# KiCad board mainboard.kicad_pcb (continued)
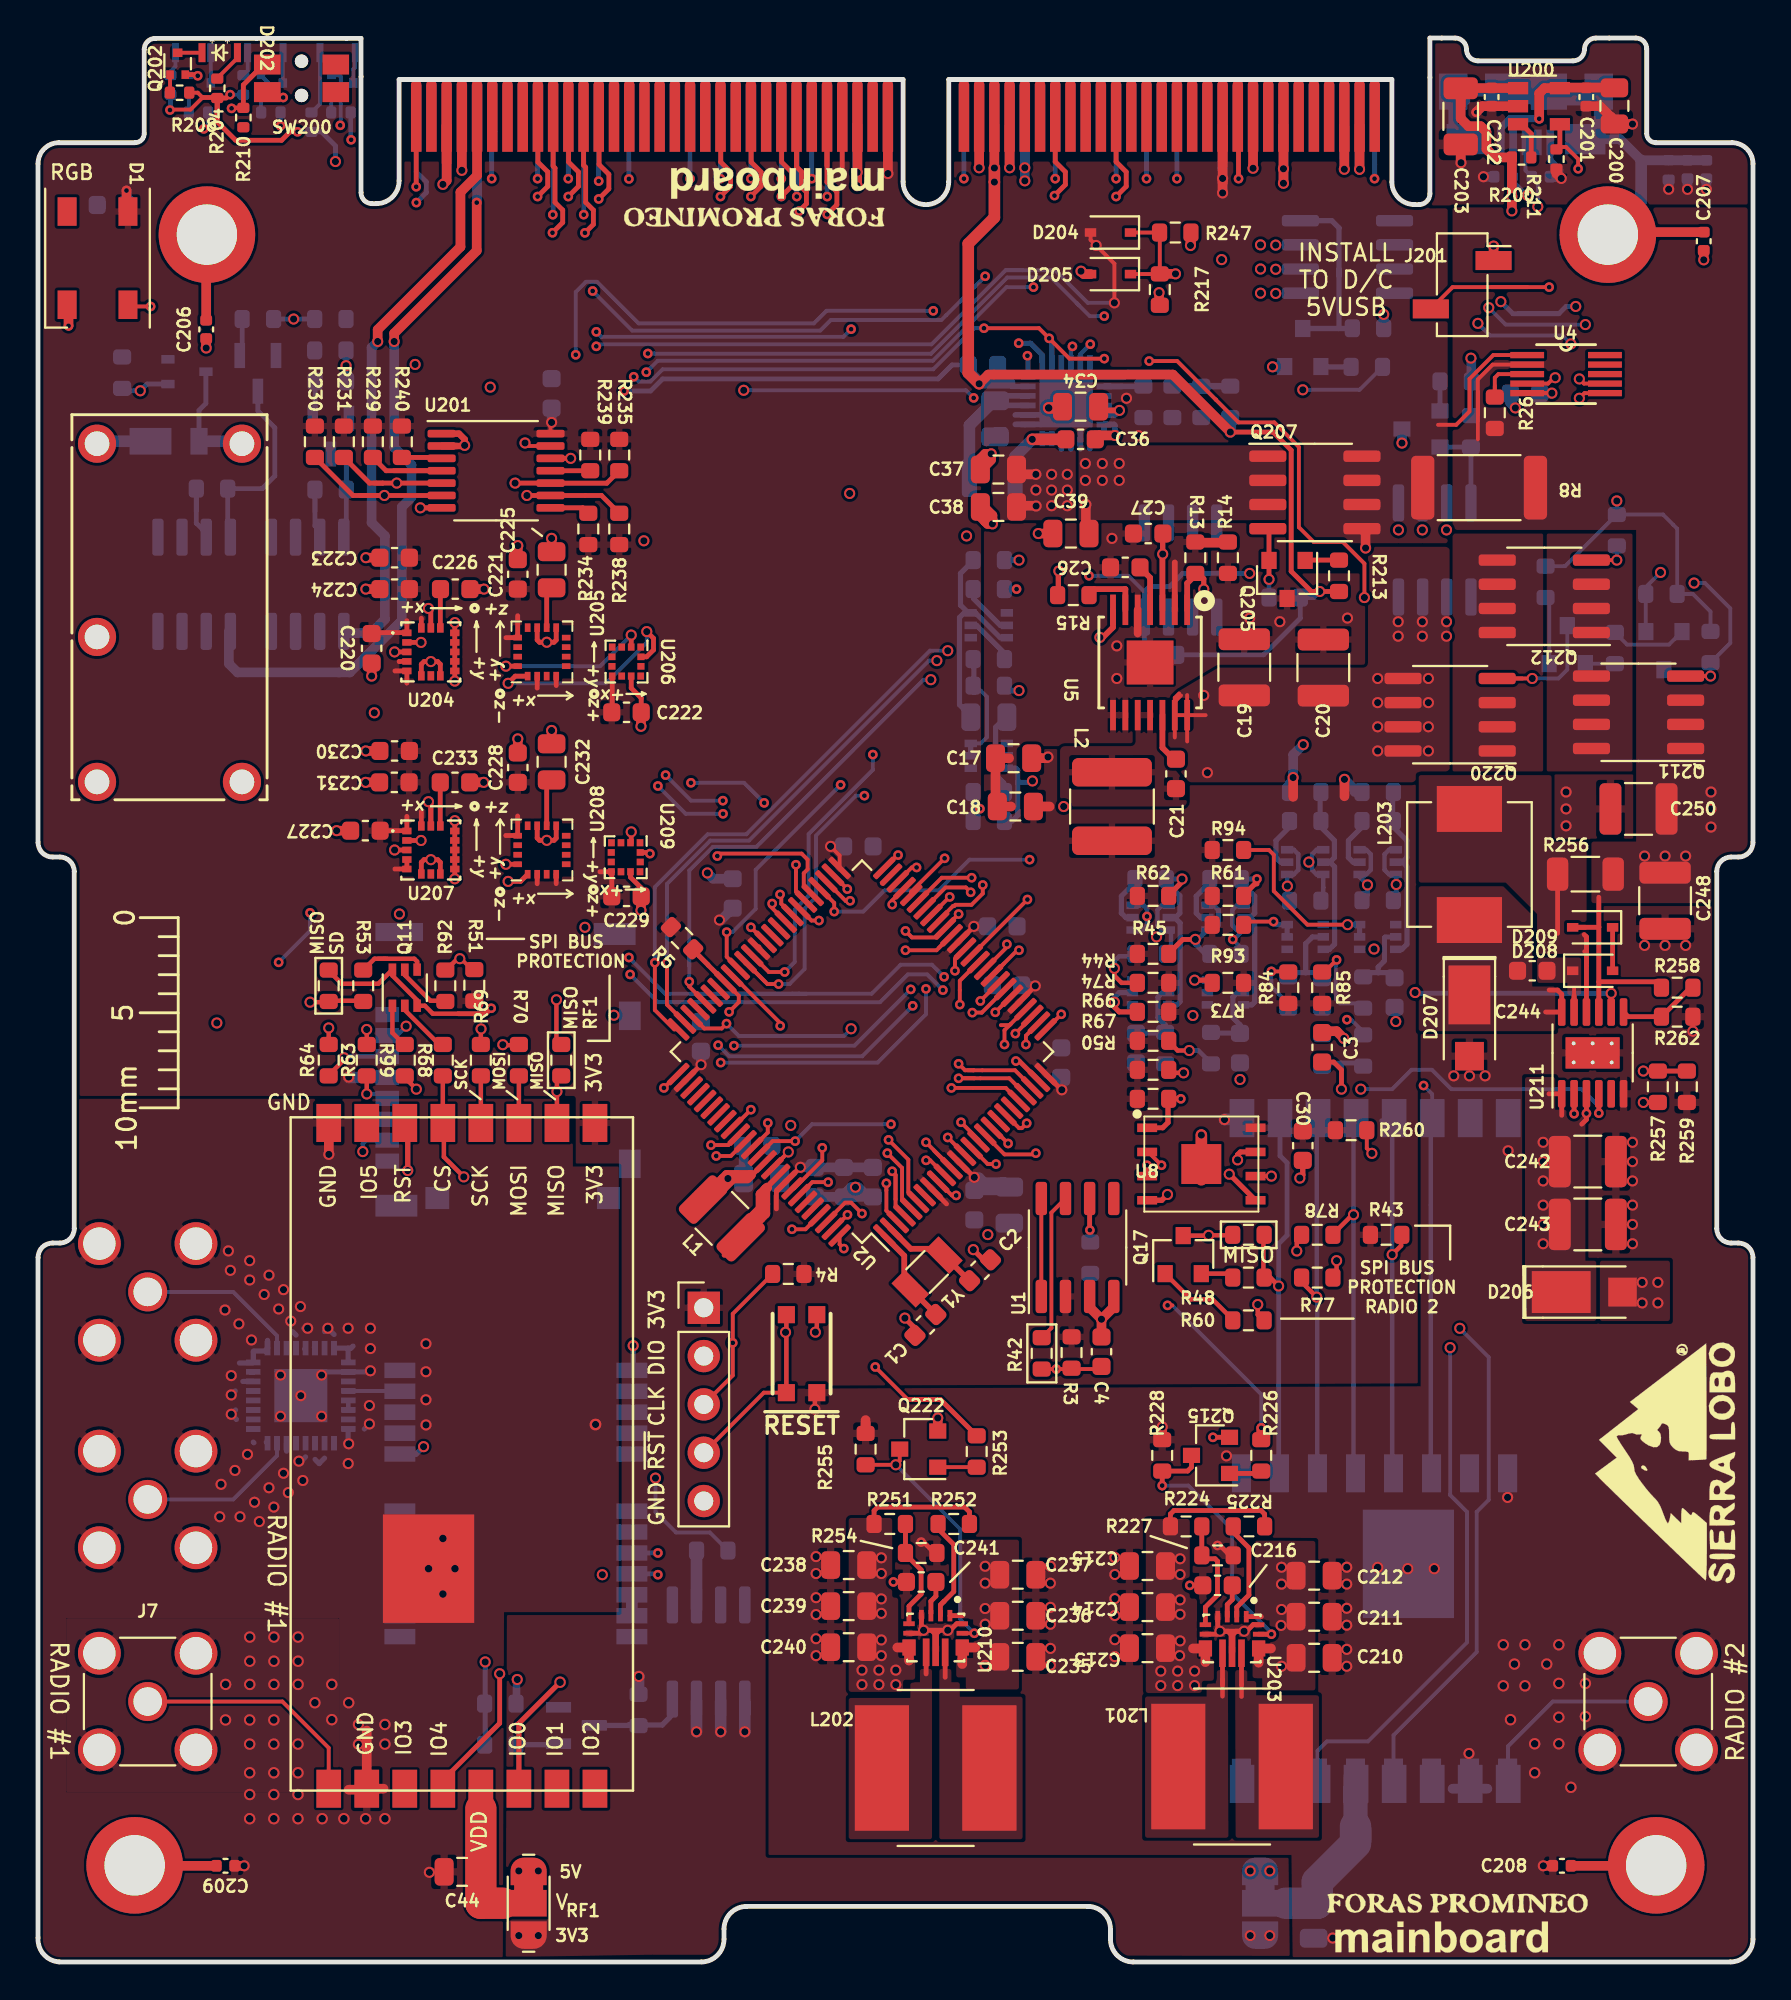
[diagram p0: board, top side]
## Placement (name value [footprint] x y rotation side) (continued)
Q215  MMBT3906-7-F  [SOT-23]  61.65 26.63 180 top
Q220  IRF7404  [SOIC-8_3.9x4.9mm_P1.27mm]  74.25 65.57 180 top
Q221  MMBT4401-7-F  [SOT-23]  85.49 68.94 270 bottom
Q222  MMBT3906-7-F  [SOT-23]  46.31 26.96 180 top
R1  316K  [R_0603_1608Metric]  69.67 47.92 270 bottom
R2  110K  [R_0603_1608Metric]  67.52 47.92 270 bottom
R3  10K  [R_0603_1608Metric]  54.34 32.04 270 top
R4  10K  [R_0603_1608Metric]  39.45 36.17 180 top
R5  10k  [R_0603_1608Metric]  33.86 53.82 315 top
R7  10k  [R_0603_1608Metric]  55.32 37.02 90 bottom
R8  0.1  [R_2512_6332Metric]  75.77 77.51 180 top
R13  73.2K  [R_0603_1608Metric]  60.85 73.83 270 top
R14  22.1K  [R_0603_1608Metric]  62.56 73.83 90 top
R15  100K  [R_0603_1608Metric]  54.43 71.86 180 top
R21  10K  [R_0603_1608Metric]  24.31 13.58 0 bottom
R22  4.7K  [R_0603_1608Metric]  24.31 11.42 0 bottom
R23  3.3K  [R_0603_1608Metric]  31.57 13.25 270 bottom
R24  10K  [R_0603_1608Metric]  35.45 21.63 180 bottom
R25  10k  [R_0603_1608Metric]  4.42 83.55 90 bottom
R26  1K  [R_0603_1608Metric]  76.6 81.45 90 top
R27  10k  [R_0603_1608Metric]  15.37 86.37 0 bottom
R28  10k  [R_0603_1608Metric]  15.37 84.72 180 bottom
R29  73.2K  [R_0603_1608Metric]  49.99 59.98 0 bottom
R30  100K  [R_0603_1608Metric]  49.99 67.09 180 bottom
R32  4.7k  [R_0603_1608Metric]  11.56 86.37 0 bottom
R33  4.7k  [R_0603_1608Metric]  15.4 83.1 0 bottom
R34  5.23K  [R_0603_1608Metric]  62.69 82.02 90 bottom
R35  30.1K  [R_0603_1608Metric]  61.17 82.02 90 bottom
R36  3.16K  [R_0603_1608Metric]  58.12 82.02 90 bottom
R37  100k  [R_0603_1608Metric]  9.15 77.46 180 bottom
R38  100k  [R_0603_1608Metric]  15.38 77.41 180 bottom
R42  10k  [R_0603_1608Metric]  52.77 31.99 90 top
R43  10k  [R_0603_1608Metric]  70.88 38.23 0 top
R44  10K  [R_0603_1608Metric]  58.63 51.47 180 top
R45  10K  [R_0603_1608Metric]  58.63 53 0 top
R46  10K  [R_0603_1608Metric]  59.64 82.02 90 bottom
R47  200K  [R_0603_1608Metric]  49.99 61.51 0 bottom
R48  0  [R_0603_1608Metric]  63.64 35.98 0 top
R49  100K  [R_0603_1608Metric]  49.99 73.7 180 bottom
R50  10k  [R_0603_1608Metric]  58.63 45.38 180 top
R51  10k  [R_0603_1608Metric]  22.94 51.35 270 top
R52  10K  [R_0603_1608Metric]  49.99 72.17 0 bottom
R53  0  [R_0603_1608Metric]  17.1 51.32 270 top
R60  4.7k  [R_0603_1608Metric]  63.64 33.73 0 top
R61  10K  [R_0603_1608Metric]  62.56 56.05 0 top
R62  10K  [R_0603_1608Metric]  58.63 56.05 0 top
R63  1K  [R_0603_1608Metric]  17.28 47.41 90 top
R64  1K  [R_0603_1608Metric]  15.28 47.41 90 top
R66  10K  [R_0603_1608Metric]  58.63 48.43 0 top
R67  10K  [R_0603_1608Metric]  58.63 46.9 0 top
R68  4.7K  [R_0603_1608Metric]  21.28 47.41 270 top
R69  1K  [R_0603_1608Metric]  23.28 47.41 90 top
R70  1K  [R_0603_1608Metric]  25.28 47.41 270 top
R71  680  [R_0603_1608Metric]  62.44 56.93 0 bottom
R72  680  [R_0603_1608Metric]  58.5 56.93 0 bottom
R73  100K  [R_0603_1608Metric]  62.56 51.47 180 top
R74  100K  [R_0603_1608Metric]  58.63 49.95 180 top
R75  200K  [R_0603_1608Metric]  61.67 48.04 90 bottom
R76  200K  [R_0603_1608Metric]  59.26 48.04 90 bottom
R77  1K  [R_0603_1608Metric]  67.26 35.98 0 top
R78  1K  [R_0603_1608Metric]  67.26 38.23 180 top
R82  10K  [R_0603_1608Metric]  66.63 61.51 0 bottom
R83  10K  [R_0603_1608Metric]  70.44 61.51 0 bottom
R84  10K  [R_0603_1608Metric]  65.74 51.22 90 top
R85  10K  [R_0603_1608Metric]  67.52 51.22 90 top
R86  680  [R_0603_1608Metric]  66.63 59.98 0 bottom
R87  680  [R_0603_1608Metric]  70.44 59.98 0 bottom
R92  4.7k  [R_0603_1608Metric]  21.41 51.32 90 top
R93  100K  [R_0603_1608Metric]  62.56 54.52 0 top
R94  100K  [R_0603_1608Metric]  62.56 58.46 0 top
R95  200K  [R_0603_1608Metric]  65.74 50.97 90 bottom
R96  200K  [R_0603_1608Metric]  69.67 50.97 90 bottom
R97  0  [R_0603_1608Metric]  62.44 53 180 bottom
R98  0  [R_0603_1608Metric]  58.5 53 180 bottom
R99  0  [R_0603_1608Metric]  19.28 47.41 270 top
R101  0  [R_0603_1608Metric]  27.51 47.41 90 top
R104  0  [R_0603_1608Metric]  15.28 51.32 90 top
R107  0  [R_0603_1608Metric]  63.64 38.23 180 top
R108  0  [R_0603_1608Metric]  66.63 55.79 180 bottom
R109  0  [R_0603_1608Metric]  70.44 55.82 180 bottom
R110  20K  [R_0603_1608Metric]  49.99 68.49 180 bottom
R200  10k  [R_0402_1005Metric]  78 94.87 0 top
R201  1Meg  [R_0402_1005Metric]  85.74 94.21 270 bottom
R202  1.5k  [R_0402_1005Metric]  6.96 98.68 90 bottom
R203  1.5k  [R_0402_1005Metric]  10.8 98.68 90 bottom
R204  1.5k  [R_0402_1005Metric]  9.42 98.5 90 top
R205  1.5k  [R_0402_1005Metric]  14.38 96.72 90 bottom
R206  1.5k  [R_0402_1005Metric]  8.43 97.23 0 bottom
R207  1.5k  [R_0402_1005Metric]  12.24 97.23 0 bottom
R208  1.5k  [R_0402_1005Metric]  7.44 98.27 0 top
R209  1.5k  [R_0402_1005Metric]  15.93 97.23 0 bottom
R210  DNP  [R_0402_1005Metric]  10.8 96.96 90 top
R211  10k  [R_0402_1005Metric]  79.83 94.78 270 top
R212  10k  [R_0603_1608Metric]  69.87 83.86 0 bottom
R213  4.7k  [R_0603_1608Metric]  68.4 72.87 270 top
R214  100k  [R_0603_1608Metric]  59.04 68.72 180 bottom
R215  100k  [R_0603_1608Metric]  69.93 85.89 0 bottom
R216  100k  [R_0603_1608Metric]  65.55 71.73 180 bottom
R217  2.2Meg  [R_0603_1608Metric]  58.98 87.92 270 top
R218  4.7k  [R_0603_1608Metric]  74.54 83.1 0 bottom
R219  100k  [R_0603_1608Metric]  75.34 80.47 270 bottom
R220  100k  [R_0603_1608Metric]  87.94 69.13 270 bottom
R221  100k  [R_0603_1608Metric]  83.01 75.27 270 bottom
R224  523k  [R_0603_1608Metric]  60.37 22.9 0 top
R225  100k  [R_0603_1608Metric]  63.67 22.9 180 top
R226  3.3k  [R_0603_1608Metric]  64.32 26.63 90 top
R227  100k  [R_0603_1608Metric]  62.02 21.37 0 top
R228  330k  [R_0603_1608Metric]  59.11 26.63 90 top
R229  100k  [R_0603_1608Metric]  17.6 79.92 270 top
R230  10k  [R_0603_1608Metric]  14.56 79.92 270 top
R231  10k  [R_0603_1608Metric]  16.08 79.92 270 top
R234  100k  [R_0603_1608Metric]  28.93 75.34 90 top
R235  10k  [R_0603_1608Metric]  30.56 79.22 270 top
R238  10k  [R_0603_1608Metric]  30.56 75.34 90 top
R239  100k  [R_0603_1608Metric]  29.03 79.22 270 top
R240  100k  [R_0603_1608Metric]  19.13 79.92 270 top
R247  2.2Meg  [R_0603_1608Metric]  59.79 90.92 0 top
R248  100k  [R_0603_1608Metric]  79.26 72.56 270 bottom
R249  10k  [R_0603_1608Metric]  85.36 71.92 180 bottom
R250  4.7k  [R_0603_1608Metric]  82.91 69.08 90 bottom
R251  523k  [R_0603_1608Metric]  44.78 23.03 0 top
R252  100k  [R_0603_1608Metric]  48.15 23.03 180 top
R253  3.3k  [R_0603_1608Metric]  49.35 26.84 90 top
R254  100k  [R_0603_1608Metric]  46.43 21.5 0 top
R255  330k  [R_0603_1608Metric]  43.51 26.96 90 top
R256  0.05  [R_1206_3216Metric]  81.36 57.19 180 top
R257  121k  [R_0603_1608Metric]  85.17 46.01 90 top
R258  634k  [R_0603_1608Metric]  86.18 51.22 0 top
R259  100k  [R_0603_1608Metric]  86.69 46.01 270 top
R260  100k  [R_0603_1608Metric]  69.04 43.73 0 top
R262  412k  [R_0603_1608Metric]  86.18 49.7 0 top
REF**  Val**  [mainboard_version]  75.39 1.31 0 top
REF**#2  Val**  [mainboard_version]  37.29 93.51 180 top
REF**#3  -  [Gauge_10mm_Type1_SilkScreenTop]  7.37 54.9 270 top
REF**#4  Val**  []  5.79 78.14 180 bottom
REF**#5  -  [Gauge_10mm_Type1_SilkScreenTop]  6.17 44.23 90 bottom
REF**#6  Val**  [mainboard_version]  74.12 1.31 180 bottom
REF**#7  Val**  [mainboard_version]  29.16 93.45 0 bottom
SW1  KMR231NG LFS  [BTN_KMR2_4.6X2.8]  40.15 31.98 90 top
SW200  SW_Push_SPST  [EVQP7C01P]  13.85 101.13 0 top
U1  MAX706RESA  [SO-8_3.9x4.9mm_P1.27mm]  54.66 37.56 90 top
U2  ATSAMD51N20A-AUT  [TQFP-100_14x14mm_P0.5mm]  43.32 47.85 135 top
U4  -  [ADM1176-1ARMZ-R7]  80.34 83.48 0 top
U5  TPS54226PWPRPWP14_2P31X2P46-L  [PWP14_2P31X2P46-L]  58.47 68.32 270 top
U8  MR25H40MDF  [SON127P600X500X90-9N]  61.17 41.95 0 top
U13  EP2W+  [QFN32-5X5MM]  13.82 29.77 180 bottom
U14  S1216V8  [S1216_24PIN_PACKAGE]  24.87 24.72 180 bottom
U15  RFM9xBreakout  [HOPERF_RFM9XW_SMD]  70.27 17.69 270 bottom
U16  PE014006  [RELAY_PE014006]  10.72 62.62 0 top
U17  BQ25883RGER  [QFN50P400X400X100-25N-D]  54.05 82.08 270 bottom
U23  RFM98PW  [RFM95PW]  22.78 26.71 270 top
U24  RFM98PW  [RFM95PW]  69.8 26.96 270 bottom
U200  AP2161W  [SOT-23-5]  78.92 97.56 0 top
U201  PCA9543APW,118  [TSSOP-14_4.4x5mm_P0.65mm]  24.08 78.4 0 top
U203  TPS63070  [TPS63070RNMR]  62.78 17.01 270 top
U204  -  [IAM-20380]  20.65 68.87 0 top
U205  -  [MMC5983MA]  26.49 68.87 90 top
U206  -  [MXC6655XA]  30.94 68.36 270 top
U207  -  [IAM-20380]  20.65 58.46 0 top
U208  -  [MMC5983MA]  26.49 58.46 90 top
U209  -  [MXC6655XA]  30.9 58.08 270 top
U210  TPS63070  [TPS63070RNMR]  47.2 17.06 270 top
U211  ‎LT3652HVEMSE#TRPBF‎  [MSOP-12-1EP_3x4mm_P0.65mm_EP1.65x2.85mm_ThermalVias]  81.74 47.79 90 top
Y1  32.768kHz  [Crystal_SMD_3215-2Pin_3.2x1.5mm]  46.75 36.27 225 top
Z200  CG0402MLU-05G  [C_0402_1005Metric]  79.02 93.85 0 bottom
Z201  CG0402MLU-05G  [C_0402_1005Metric]  77.04 93.85 180 bottom

## Library data of the parts
D1 = -: Field4: 1
Q1 = -: Field4: REF**
U5 U14 = -: Field4: >Name
U16 = -: Field4: REF**; Field5: *
U23 U24 = -: Field4: RADIO 2

## Footprints (pads in the part's own frame, mm; a bottom-side part is the same pattern mirrored in y, then rotated)
125mil_hole
  round 5.08 hole 3.175: 1(0,0)
ADM1176-1ARMZ-R7
  rect 1.778x0.33 smd: 1(-2.045,1) 2(-2.045,0.5) 3(-2.045,0) 4(-2.045,-0.5) 5(-2.045,-1) 6(2.045,-1) 7(2.045,-0.5) 8(2.045,0) 9(2.045,0.5) 10(2.045,1)
APA2107x
  rect 1x0.37 smd: 1(0,-0.93) 2(0,0.93)
BSS138DWQ-7
  rect 0.6x0.4 smd: 1(-0.95,0.65) 2(-0.95,0) 3(-0.95,-0.65) 4(0.95,-0.65) 5(0.95,0) 6(0.95,0.65)
BTN_KMR2_4.6X2.8
  rect 0.9x0.9 smd: A(2.05,0.8) A'(-2.05,0.8) B(2.05,-0.8) B'(-2.05,-0.8)
C_0402_1005Metric
  rrect 0.56x0.62 smd: 1(-0.48,0) 2(0.48,0)
C_0603_1608Metric
  rrect 0.9x0.95 smd: 1(-0.775,0) 2(0.775,0)
C_0805_2012Metric
  rrect 1x1.45 smd: 1(-0.95,0) 2(0.95,0)
C_1206_3216Metric
  rrect 1.15x1.8 smd: 1(-1.475,0) 2(1.475,0)
C_1210_3225Metric
  rrect 1.15x2.7 smd: 1(-1.475,0) 2(1.475,0)
Crystal_SMD_3215-2Pin_3.2x1.5mm
  rect 1x1.8 smd: 1(1.25,0) 2(-1.25,0)
D_SOD-323
  rect 0.6x0.45 smd: 1(-1.05,0) 2(1.05,0)
EVQP7C01P
  round 0.7 hole 0.7 unplated: (0,-1.2) (0,-3)
  rect 1.4x1.05 smd: (1.8,-1.375) (1.8,-2.825) 1(-1.8,-1.375) 2(-1.8,-2.825)
HOPERF_RFM9XW_SMD
  rect 2x1 smd: 1(-8,7) 2(-8,5) 3(-8,3) 4(-8,1) 5(-8,-1) 6(-8,-3) 7(-8,-5) 8(-8,-7) 9(8,-7) 10(8,-5) 11(8,-3) 12(8,-1) 13(8,1) 14(8,3) 15(8,5) 16(8,7)
HSEC8-160-CARD-EDGE
  custom 0.55x3.8 smd far side: 1(-25.6,-2.4) 3(-24.8,-2.4) 5(-24,-2.4) 7(-23.2,-2.4) 9(-22.4,-2.4) 11(-21.6,-2.4) 13(-20.8,-2.4) 15(-20,-2.4) 17(-19.2,-2.4) 19(-18.4,-2.4) 21(-17.6,-2.4) 23(-16.8,-2.4) 25(-16,-2.4) 27(-15.2,-2.4) 29(-14.4,-2.4) 31(-13.6,-2.4) 33(-12.8,-2.4) 35(-12,-2.4) 37(-11.2,-2.4) 39(-10.4,-2.4) 41(-9.6,-2.4) 43(-8.8,-2.4) 45(-8,-2.4) 47(-7.2,-2.4) 49(-6.4,-2.4) 51(-5.6,-2.4) 53(-4.8,-2.4) 55(-4,-2.4) 57(-3.2,-2.4) 59(-2.4,-2.4) 61(-1.6,-2.4) 63(-0.8,-2.4) 65(3.2,-2.4) 67(4,-2.4) 69(4.8,-2.4) 71(5.6,-2.4) 73(6.4,-2.4) 75(7.2,-2.4) 77(8,-2.4) 79(8.8,-2.4) 81(9.6,-2.4) 83(10.4,-2.4) 85(11.2,-2.4) 87(12,-2.4) 89(12.8,-2.4) 91(13.6,-2.4) 93(14.4,-2.4) 95(15.2,-2.4) 97(16,-2.4) 99(16.8,-2.4) 101(17.6,-2.4) 103(18.4,-2.4) 105(19.2,-2.4) 107(20,-2.4) 109(20.8,-2.4) 111(21.6,-2.4) 113(22.4,-2.4) 115(23.2,-2.4) 117(24,-2.4) 119(24.8,-2.4)
  custom 0.55x3.8 smd: 2(-25.6,-2.4) 4(-24.8,-2.4) 6(-24,-2.4) 8(-23.2,-2.4) 10(-22.4,-2.4) 12(-21.6,-2.4) 14(-20.8,-2.4) 16(-20,-2.4) 18(-19.2,-2.4) 20(-18.4,-2.4) 22(-17.6,-2.4) 24(-16.8,-2.4) 26(-16,-2.4) 28(-15.2,-2.4) 30(-14.4,-2.4) 32(-13.6,-2.4) 34(-12.8,-2.4) 36(-12,-2.4) 38(-11.2,-2.4) 40(-10.4,-2.4) 42(-9.6,-2.4) 44(-8.8,-2.4) 46(-8,-2.4) 48(-7.2,-2.4) 50(-6.4,-2.4) 52(-5.6,-2.4) 54(-4.8,-2.4) 56(-4,-2.4) 58(-3.2,-2.4) 60(-2.4,-2.4) 62(-1.6,-2.4) 64(-0.8,-2.4) 66(3.2,-2.4) 68(4,-2.4) 70(4.8,-2.4) 72(5.6,-2.4) 74(6.4,-2.4) 76(7.2,-2.4) 78(8,-2.4) 80(8.8,-2.4) 82(9.6,-2.4) 84(10.4,-2.4) 86(11.2,-2.4) 88(12,-2.4) 90(12.8,-2.4) 92(13.6,-2.4) 94(14.4,-2.4) 96(15.2,-2.4) 98(16,-2.4) 100(16.8,-2.4) 102(17.6,-2.4) 104(18.4,-2.4) 106(19.2,-2.4) 108(20,-2.4) 110(20.8,-2.4) 112(21.6,-2.4) 114(22.4,-2.4) 116(23.2,-2.4) 118(24,-2.4) 120(24.8,-2.4)
IAM-20380
  rrect 0.49x0.35 smd: 1(-1.26,1) 2(-1.26,0.5) 3(-1.26,0) 4(-1.26,-0.5) 5(-1.26,-1) 9(1.26,-1) 10(1.26,-0.5) 11(1.26,0) 12(1.26,0.5) 13(1.26,1)
  rrect 0.35x0.49 smd: 6(-0.5,-1.26) 7(0,-1.26) 8(0.5,-1.26) 14(0.5,1.26) 15(0,1.26) 16(-0.5,1.26)
L_1210_3225Metric
  rrect 1.25x2.65 smd: 1(-1.4,0) 2(1.4,0)
L_2141
  rrect 1.5x4.2 smd: 1(-1.8,0) 2(1.8,0)
L_2510
  rrect 0.8x2 smd: 1(-1.2,0) 2(1.2,0)
L_Bourns_SRN8040TA
  rect 2.85x6.6 smd: 1(-2.825,0) 2(2.825,0)
L_Vishay_IHLP-2525
  rect 2.413x3.429 smd: 1(-2.921,0) 2(2.921,0)
LED_WS2812B_PLCC4_5.0x5.0mm_P3.2mm
  rect 1.5x1 smd: 1(-2.45,1.6) 2(-2.45,-1.6) 3(2.45,-1.6) 4(2.45,1.6)
MMC5983MA
  rect 0.45x0.3 smd: 1(-1.275,0.75) 2(-1.275,0.25) 3(-1.275,-0.25) 4(-1.275,-0.75) 9(1.275,-0.75) 10(1.275,-0.25) 11(1.275,0.25) 12(1.275,0.75)
  rect 0.3x0.45 smd: 5(-0.75,-1.275) 6(-0.25,-1.275) 7(0.25,-1.275) 8(0.75,-1.275) 13(0.75,1.275) 14(0.25,1.275) 15(-0.25,1.275) 16(-0.75,1.275)
MOLEX_503182-1852
  rect 0.8x1.24 smd: 1(-2.9,6.355) 2(-1.8,6.355) 3(-0.7,6.355) 4(0.4,6.355) 5(1.5,6.355) 6(2.6,6.355) 7(3.7,6.355) 8(4.8,6.355)
  rect 1.16x1.2 smd: DT(6.74,-5.275)
  rect 0.95x2.5 smd: P1(-7.245,5.725)
  rect 1.15x2.2 smd: P2(7.145,5.875) P3(-7.145,-5.605)
  rect 1.5x1.15 smd: P4(-2.84,-6.4) P5(4.94,-6.4)
  rect 1.16x1.25 smd: SW(6.74,3.725)
MSOP-12-1EP_3x4mm_P0.65mm_EP1.65x2.85mm_ThermalVias
  rrect 0.69x1.19 smd: (-0.41,0.71) (-0.41,-0.71) (0.41,0.71) (0.41,-0.71)
  rrect 1.45x0.4 smd: 1(-2.15,1.625) 2(-2.15,0.975) 3(-2.15,0.325) 4(-2.15,-0.325) 5(-2.15,-0.975) 6(-2.15,-1.625) 7(2.15,-1.625) 8(2.15,-0.975) 9(2.15,-0.325) 10(2.15,0.325) 11(2.15,0.975) 12(2.15,1.625)
  round 0.5 hole 0.2: 13(-0.5,1) 13(-0.5,0) 13(-0.5,-1) 13(0.5,1) 13(0.5,0) 13(0.5,-1)
  rect 1.5x2.5 smd far side: 13(0,0)
  rect 1.65x2.85 smd: 13(0,0)
MXC6655XA
  rect 0.375x0.35 smd: 1(-0.762,0.75) 2(-0.762,0.25) 3(-0.762,-0.25) 4(-0.762,-0.75) 7(0.762,-0.75) 8(0.762,-0.25) 9(0.762,0.25) 10(0.762,0.75)
  rect 0.35x0.375 smd: 5(-0.25,-0.762) 6(0.25,-0.762) 11(0.25,0.762) 12(-0.25,0.762)
PinHeader_1x05_P2.54mm_Vertical
  rect 1.7x1.7 hole 1: 1(0,0)
  oval 1.7x1.7 hole 1: 2(0,-2.54) 3(0,-5.08) 4(0,-7.62) 5(0,-10.16)
PinSocket_1x02_P2.54mm_Vertical_SMD_Pin1Right
  rect 1.9x1 smd: 1(1.65,1.27) 2(-1.65,-1.27)
PWP14_2P31X2P46-L
  rect 1.6x0.305 smd: 1(-2.769,1.95) 2(-2.769,1.3) 3(-2.769,0.65) 4(-2.769,0) 5(-2.769,-0.65) 6(-2.769,-1.3) 7(-2.769,-1.95) 8(2.769,-1.95) 9(2.769,-1.3) 10(2.769,-0.65) 11(2.769,0) 12(2.769,0.65) 13(2.769,1.3) 14(2.769,1.95)
  rect 2.31x2.46 smd: 15(0,0)
PWRDI-123
  rect 0.9x1.4 smd: A(1.45,0)
  rect 2.2x1.4 smd: C(-1.1,0)
QFN32-5X5MM
  rect 0.762x0.305 smd: 1(-2.5,1.75) 2(-2.5,1.25) 3(-2.5,0.75) 4(-2.5,0.25) 5(-2.5,-0.25) 6(-2.5,-0.75) 7(-2.5,-1.25) 8(-2.5,-1.75) 17(2.5,-1.75) 18(2.5,-1.25) 19(2.5,-0.75) 20(2.5,-0.25) 21(2.5,0.25) 22(2.5,0.75) 23(2.5,1.25) 24(2.5,1.75)
  rect 0.305x0.762 smd: 9(-1.75,-2.5) 10(-1.25,-2.5) 11(-0.75,-2.5) 12(-0.25,-2.5) 13(0.25,-2.5) 14(0.75,-2.5) 15(1.25,-2.5) 16(1.75,-2.5) 25(1.75,2.5) 26(1.25,2.5) 27(0.75,2.5) 28(0.25,2.5) 29(-0.25,2.5) 30(-0.75,2.5) 31(-1.25,2.5) 32(-1.75,2.5)
  rect 2.794x2.794 smd: EP(0,0)
QFN50P400X400X100-25N-D
  rect 0.8x0.3 smd: 1(-2,1.25) 2(-2,0.75) 3(-2,0.25) 4(-2,-0.25) 5(-2,-0.75) 6(-2,-1.25) 13(2,-1.25) 14(2,-0.75) 15(2,-0.25) 16(2,0.25) 17(2,0.75) 18(2,1.25)
  rect 0.3x0.8 smd: 7(-1.25,-2) 8(-0.75,-2) 9(-0.25,-2) 10(0.25,-2) 11(0.75,-2) 12(1.25,-2) 19(1.25,2) 20(0.75,2) 21(0.25,2) 22(-0.25,2) 23(-0.75,2) 24(-1.25,2)
  rect 2.8x2.8 smd: 25(0,0)
R_0402_1005Metric
  rrect 0.54x0.64 smd: 1(-0.51,0) 2(0.51,0)
R_0603_1608Metric
  rrect 0.8x0.95 smd: 1(-0.825,0) 2(0.825,0)
R_1206_3216Metric
  rrect 1.125x1.75 smd: 1(-1.462,0) 2(1.462,0)
R_2512_6332Metric
  rrect 1.225x3.35 smd: 1(-2.962,0) 2(2.962,0)
RELAY_PE014006
  round 2.007 hole 1.295: 1(-7.62,17.196) 5(0,17.196) 11(-7.62,7.036) 12(0,-0.584) 14(-7.62,-0.584)
RFM95PW
  rect 2x1.3 smd: 1(17.6,-7.5) 2(17.6,-5.5) 3(17.6,-3.5) 4(17.6,-1.5) 5(17.6,0.5) 6(17.6,2.5) 7(17.6,4.5) 8(17.6,6.5) 9(-17.4,6.5) 10(-17.4,4.5) 11(-17.4,2.5) 12(-17.4,0.5) 13(-17.4,-1.5) 14(-17.4,-3.5) 15(-17.4,-5.5) 16(-17.4,-7.5)
  rect 5.7x4.8 smd: 17(6.032,-2.25)
S1216_24PIN_PACKAGE
  rect 1.626x0.813 smd: 1(5.85,-7.62) 2(5.85,-6.52) 3(5.85,-5.42) 4(5.85,-4.32) 5(5.85,-3.22) 6(5.85,-2.12) 7(5.85,-1.02) 8(5.85,1.98) 9(5.85,3.08) 10(5.85,4.18) 11(5.85,5.28) 12(5.85,6.38) 13(-6.35,6.38) 14(-6.35,5.28) 15(-6.35,4.18) 16(-6.35,3.08) 17(-6.35,1.98) 18(-6.35,-1.02) 19(-6.35,-2.12) 20(-6.35,-3.22) 21(-6.35,-4.32) 22(-6.35,-5.42) 23(-6.35,-6.52) 24(-6.35,-7.62)
SMA_Amphenol_901-144_Vertical
  round 2.05 hole 1.5: 1(0,0)
  round 2.25 hole 1.7: 2(-2.54,2.54) 2(-2.54,-2.54) 2(2.54,2.54) 2(2.54,-2.54)
SMPA
  rect 3.1x2.2 smd: 1(-1.21,0)
  rect 1.5x1.52 smd: 2(2.01,0)
SO-8_3.9x4.9mm_P1.27mm
  rrect 1.75x0.6 smd: 1(-2.575,1.905) 2(-2.575,0.635) 3(-2.575,-0.635) 4(-2.575,-1.905) 5(2.575,-1.905) 6(2.575,-0.635) 7(2.575,0.635) 8(2.575,1.905)
SOIC-8_3.9x4.9mm_P1.27mm
  rrect 1.95x0.6 smd: 1(-2.475,1.905) 2(-2.475,0.635) 3(-2.475,-0.635) 4(-2.475,-1.905) 5(2.475,-1.905) 6(2.475,-0.635) 7(2.475,0.635) 8(2.475,1.905)
SolderJumper-3_P1.3mm_Bridged12_RoundedPad1.0x1.5mm
  custom 1.45x1.9 smd: 1(-1.7,0) 3(1.7,0)
  rect 1.4x1.9 smd: 2(0,0)
SON127P600X500X90-9N
  rect 1.05x0.45 smd: 1(-2.85,1.905) 2(-2.85,0.635) 3(-2.85,-0.635) 4(-2.85,-1.905) 5(2.85,-1.905) 6(2.85,-0.635) 7(2.85,0.635) 8(2.85,1.905)
  rect 2.1x2.1 smd: 9(0,0)
SOT-23
  rect 0.9x0.8 smd: 1(-1,0.95) 2(-1,-0.95) 3(1,0)
SOT-23#2
  rect 0.559x1.321 smd: 1(-0.953,-1.003) 2(0.953,-1.003) 3(0,0.876)
SOT-23-5
  rect 1.06x0.65 smd: 1(-1.1,0.95) 2(-1.1,0) 3(-1.1,-0.95) 4(1.1,-0.95) 5(1.1,0.95)
SOT-323_SC-70
  rect 0.7x0.45 smd: 1(-1,0.65) 2(-1,-0.65) 3(1,0)
SOT-363_SC-70-6
  rect 0.65x0.4 smd: 1(-0.95,0.65) 2(-0.95,0) 3(-0.95,-0.65) 4(0.95,-0.65) 5(0.95,0) 6(0.95,0.65)
SOT-723
  rect 0.45x0.4 smd: 1(-0.575,0.4) 2(-0.575,-0.4)
  rect 0.45x0.5 smd: 3(0.575,0)
TPS63070RNMR
  rrect 0.6x0.25 smd: 1(-1.15,0.75) 2(-1.15,0.25) 3(-1.15,-0.25) 4(-1.15,-0.75)
  rrect 0.25x0.6 smd: 5(-0.725,-1.4) 6(-0.225,-1.4) 14(-0.225,1.4) 15(-0.725,1.4)
  rrect 0.85x0.7 smd: 7(0.525,-1.4) 12(0.525,1.4)
  rrect 1.45x0.35 smd: 9(0.775,-0.5) 11(0.775,0.5)
  rrect 1.8x0.35 smd: 10(0.6,0)
TQFP-100_14x14mm_P0.5mm
  rrect 1.475x0.3 smd: 1(-7.662,6) 2(-7.662,5.5) 3(-7.662,5) 4(-7.662,4.5) 5(-7.662,4) 6(-7.662,3.5) 7(-7.662,3) 8(-7.662,2.5) 9(-7.662,2) 10(-7.662,1.5) 11(-7.662,1) 12(-7.662,0.5) 13(-7.662,0) 14(-7.662,-0.5) 15(-7.662,-1) 16(-7.662,-1.5) 17(-7.662,-2) 18(-7.662,-2.5) 19(-7.662,-3) 20(-7.662,-3.5) 21(-7.662,-4) 22(-7.662,-4.5) 23(-7.662,-5) 24(-7.662,-5.5) 25(-7.662,-6) 51(7.662,-6) 52(7.662,-5.5) 53(7.662,-5) 54(7.662,-4.5) 55(7.662,-4) 56(7.662,-3.5) 57(7.662,-3) 58(7.662,-2.5) 59(7.662,-2) 60(7.662,-1.5) 61(7.662,-1) 62(7.662,-0.5) 63(7.662,0) 64(7.662,0.5) 65(7.662,1) 66(7.662,1.5) 67(7.662,2) 68(7.662,2.5) 69(7.662,3) 70(7.662,3.5) 71(7.662,4) 72(7.662,4.5) 73(7.662,5) 74(7.662,5.5) 75(7.662,6)
  rrect 0.3x1.475 smd: 26(-6,-7.662) 27(-5.5,-7.662) 28(-5,-7.662) 29(-4.5,-7.662) 30(-4,-7.662) 31(-3.5,-7.662) 32(-3,-7.662) 33(-2.5,-7.662) 34(-2,-7.662) 35(-1.5,-7.662) 36(-1,-7.662) 37(-0.5,-7.662) 38(0,-7.662) 39(0.5,-7.662) 40(1,-7.662) 41(1.5,-7.662) 42(2,-7.662) 43(2.5,-7.662) 44(3,-7.662) 45(3.5,-7.662) 46(4,-7.662) 47(4.5,-7.662) 48(5,-7.662) 49(5.5,-7.662) 50(6,-7.662) 76(6,7.662) 77(5.5,7.662) 78(5,7.662) 79(4.5,7.662) 80(4,7.662) 81(3.5,7.662) 82(3,7.662) 83(2.5,7.662) 84(2,7.662) 85(1.5,7.662) 86(1,7.662) 87(0.5,7.662) 88(0,7.662) 89(-0.5,7.662) 90(-1,7.662) 91(-1.5,7.662) 92(-2,7.662) 93(-2.5,7.662) 94(-3,7.662) 95(-3.5,7.662) 96(-4,7.662) 97(-4.5,7.662) 98(-5,7.662) 99(-5.5,7.662) 100(-6,7.662)
TSSOP-14_4.4x5mm_P0.65mm
  rrect 1.475x0.4 smd: 1(-2.862,1.95) 2(-2.862,1.3) 3(-2.862,0.65) 4(-2.862,0) 5(-2.862,-0.65) 6(-2.862,-1.3) 7(-2.862,-1.95) 8(2.862,-1.95) 9(2.862,-1.3) 10(2.862,-0.65) 11(2.862,0) 12(2.862,0.65) 13(2.862,1.3) 14(2.862,1.95)
ZX62-AB-5PA(31)
  rrect 0.406x1.346 smd: 1(-1.325,5.467)
  rect 0.406x1.346 smd: 2(-0.675,5.467) 3(-0.025,5.467) 4(0.625,5.467) 5(1.275,5.467)
  rect 1.5x1.905 smd: 6(-3.826,2.8) 6(3.826,2.8)
  rect 2.108x1.6 smd: 6(-3.124,5.3) 6(3.124,5.3)
  rect 1.905x1.905 smd: 6(-1.2,2.8) 6(1.2,2.8)

## Nets
3.3V: C5.1 C10.1 C11.1 C13.1 C15.1 C16.1 C17.2 C18.2 C30.1 C217.1 C218.1 C219.1 C220.1 C221.1 C222.1 C223.1 C224.1 C227.1 C228.1 C229.1 C230.1 C231.1 C234.1 C251.1 C252.1 C253.1 D1.1 J1.4 J2.1 JP6.3 JP7.3 L2.2 P1.58 P1.63 P1.64 Q22.1 Q22.2 Q22.3 R3.1 R4.1 R5.1 R13.2 R23.1 R43.1 R44.1 R45.1 R50.2 R51.2 R61.1 R62.1 R66.1 R67.1 R73.1 R74.1 R82.1 R83.1 R84.1 R85.1 R93.1 R94.1 R229.1 R230.1 R231.1 R234.1 R235.1 R238.1 R239.1 R240.1 R260.1 U1.2 U2.8 U2.12 U2.25 U2.30 U2.39 U2.51 U2.63 U2.77 U2.92 U5.1 U8.8 U23.9 U24.9 U201.14 U204.1 U204.4 U204.5 U204.16 U205.2 U205.4 U205.13 U206.7 U207.1 U207.4 U207.5 U207.16 U208.2 U208.4 U208.13 U209.7
5V_USB: C33.2 C202.1 C203.1 J201.1 P1.70 R34.1 R200.1 R202.1 R203.1 R204.1 R205.1 R208.2 R213.2 R214.1 R216.1 R218.2 R219.1 U17.23 U200.1
/Power/3V3_EN: Q2.6 R29.2 U5.7
GND: C1.2 C2.2 C3.2 C4.1 C5.2 C8.2 C10.2 C11.2 C12.1 C13.2 C14.2 C15.2 C16.2 C17.1 C18.1 C19.2 C20.2 C26.2 C27.2 C30.2 C32.1 C40.2 C41.2 C42.2 C44.1 C46.1 C206.1 C207.1 C208.1 C209.1 C210.2 C211.2 C212.2 C213.2 C214.2 C215.2 C216.1 C217.2 C218.2 C219.2 C220.2 C221.2 C222.2 C223.2 C224.2 C225.2 C226.2 C227.2 C228.2 C229.2 C230.2 C231.2 C232.2 C233.2 C234.2 C235.2 C236.2 C237.2 C238.2 C239.2 C240.2 C241.1 C242.2 C243.2 C245.2 C246.2 C247.2 C248.2 C249.2 C250.2 C251.2 C252.2 C253.2 D1.3 D207.2 J1.6 J1.P1 J1.P2 J1.P3 J1.P4 J1.P5 J2.5 J5.2 J6.2 J7.2 J12.2 P1.5 P1.6 P1.67 P1.68 P1.71 P1.72 P1.103 P1.104 P1.115 P1.116 Q1.2 Q2.1 Q2.4 Q3.1 Q3.4 Q4.2 Q5.2 Q6.2 Q12.1 Q12.4 Q13.1 Q13.4 Q18.1 Q18.4 Q19.1 Q19.4 Q200.2 Q201.2 Q202.2 Q203.2 Q205.3 Q206.1 Q206.2 Q206.3 Q208.1 Q208.2 Q208.3 Q210.3 Q221.3 R2.1 R7.1 R14.1 R21.2 R25.2 R27.2 R28.2 R215.2 R217.2 R227.2 R228.2 R254.2 R255.2 R259.2 R262.2 SW1.B SW1.B' SW200.2 U1.3 U1.4 U2.11 U2.24 U2.31 U2.38 U2.50 U2.62 U2.76 U2.90 U4.4 U5.5 U5.8 U5.9 U5.15 U8.4 U8.9 U13.1 U13.2 U13.3 U13.5 U13.6 U13.7 U13.8 U13.9 U13.10 U13.11 U13.12 U13.13 U13.14 U13.16 U13.17 U13.18 U13.19 U13.20 U13.21 U13.22 U13.23 U13.24 U13.25 U13.27 U13.28 U13.29 U13.30 U13.31 U13.32 U13.EP U14.10 U14.12 U14.13 U14.24 U15.1 U15.8 U15.10 U16.12 U23.2 U23.16 U23.17 U24.2 U24.16 U24.17 U201.1 U201.2 U201.7 U203.4 U203.6 U203.10 U203.15 U204.6 U204.8 U204.9 U204.10 U204.11 U204.12 U204.13 U204.15 U205.9 U205.11 U206.9 U207.6 U207.8 U207.9 U207.10 U207.11 U207.12 U207.13 U207.15 U208.9 U208.11 U209.9 U210.4 U210.6 U210.10 U210.15 U211.6 U211.13
VBATT: D204.2 P1.99 P1.100 Q207.5 Q207.6 Q207.7 Q207.8 R1.1 R8.2 R206.2 U4.1
VBATT_RET: C33.1 C34.2 C35.1 C37.1 C38.1 C39.1 C200.2 C201.2 C202.2 C203.2 C204.2 C205.2 J200.5 P1.107 P1.108 Q206.5 Q206.6 Q206.7 Q206.8 Q208.5 Q208.6 Q208.7 Q208.8 R35.1 R36.1 R46.1 R201.2 R211.2 R247.2 U17.19 U17.20 U17.25 U200.2 Z200.2 Z201.2
VBUS: C19.1 C20.1 C210.1 C211.1 C212.1 C235.1 C236.1 C237.1 D4.C Q213.5 Q213.6 Q213.7 Q213.8 Q215.2 Q220.5 Q220.6 Q220.7 Q220.8 Q222.2 R29.1 R30.1 R47.1 R49.1 U5.13 U5.14 U16.1 U16.14 U203.1 U203.12 U210.1 U210.12